# KiCad board SmallDSPMulti.kicad_pcb
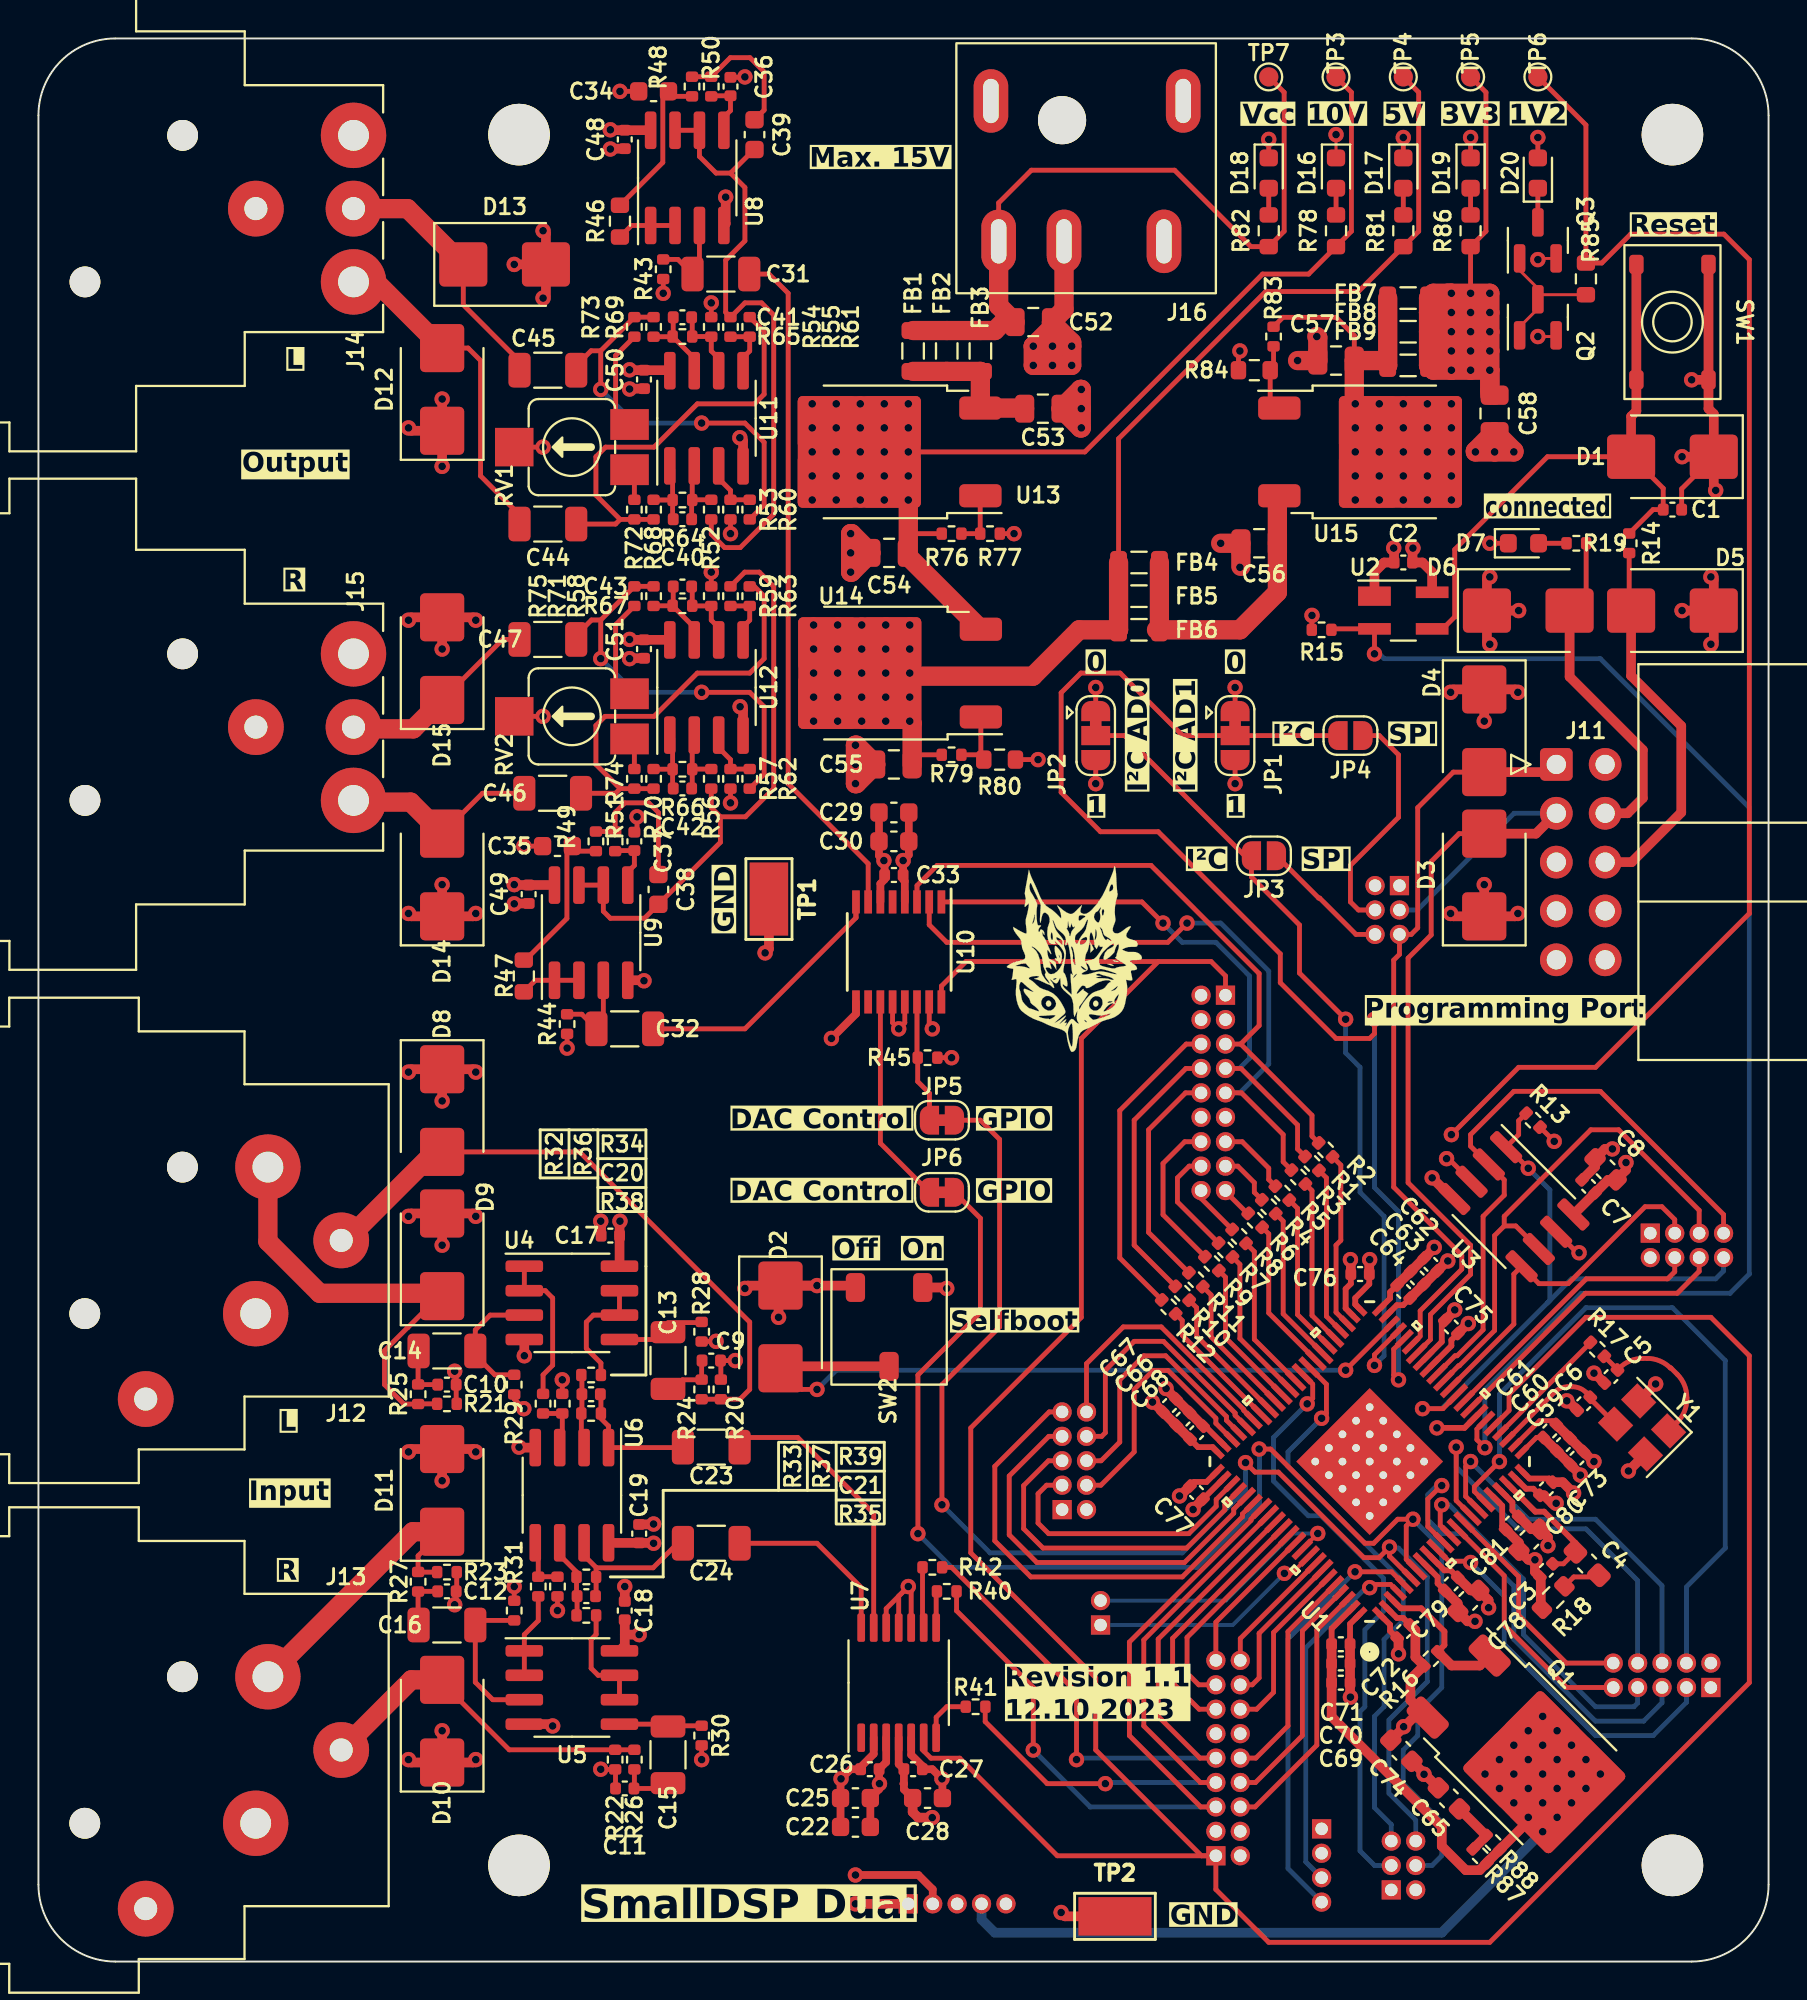
[diagram p0: board, top side]
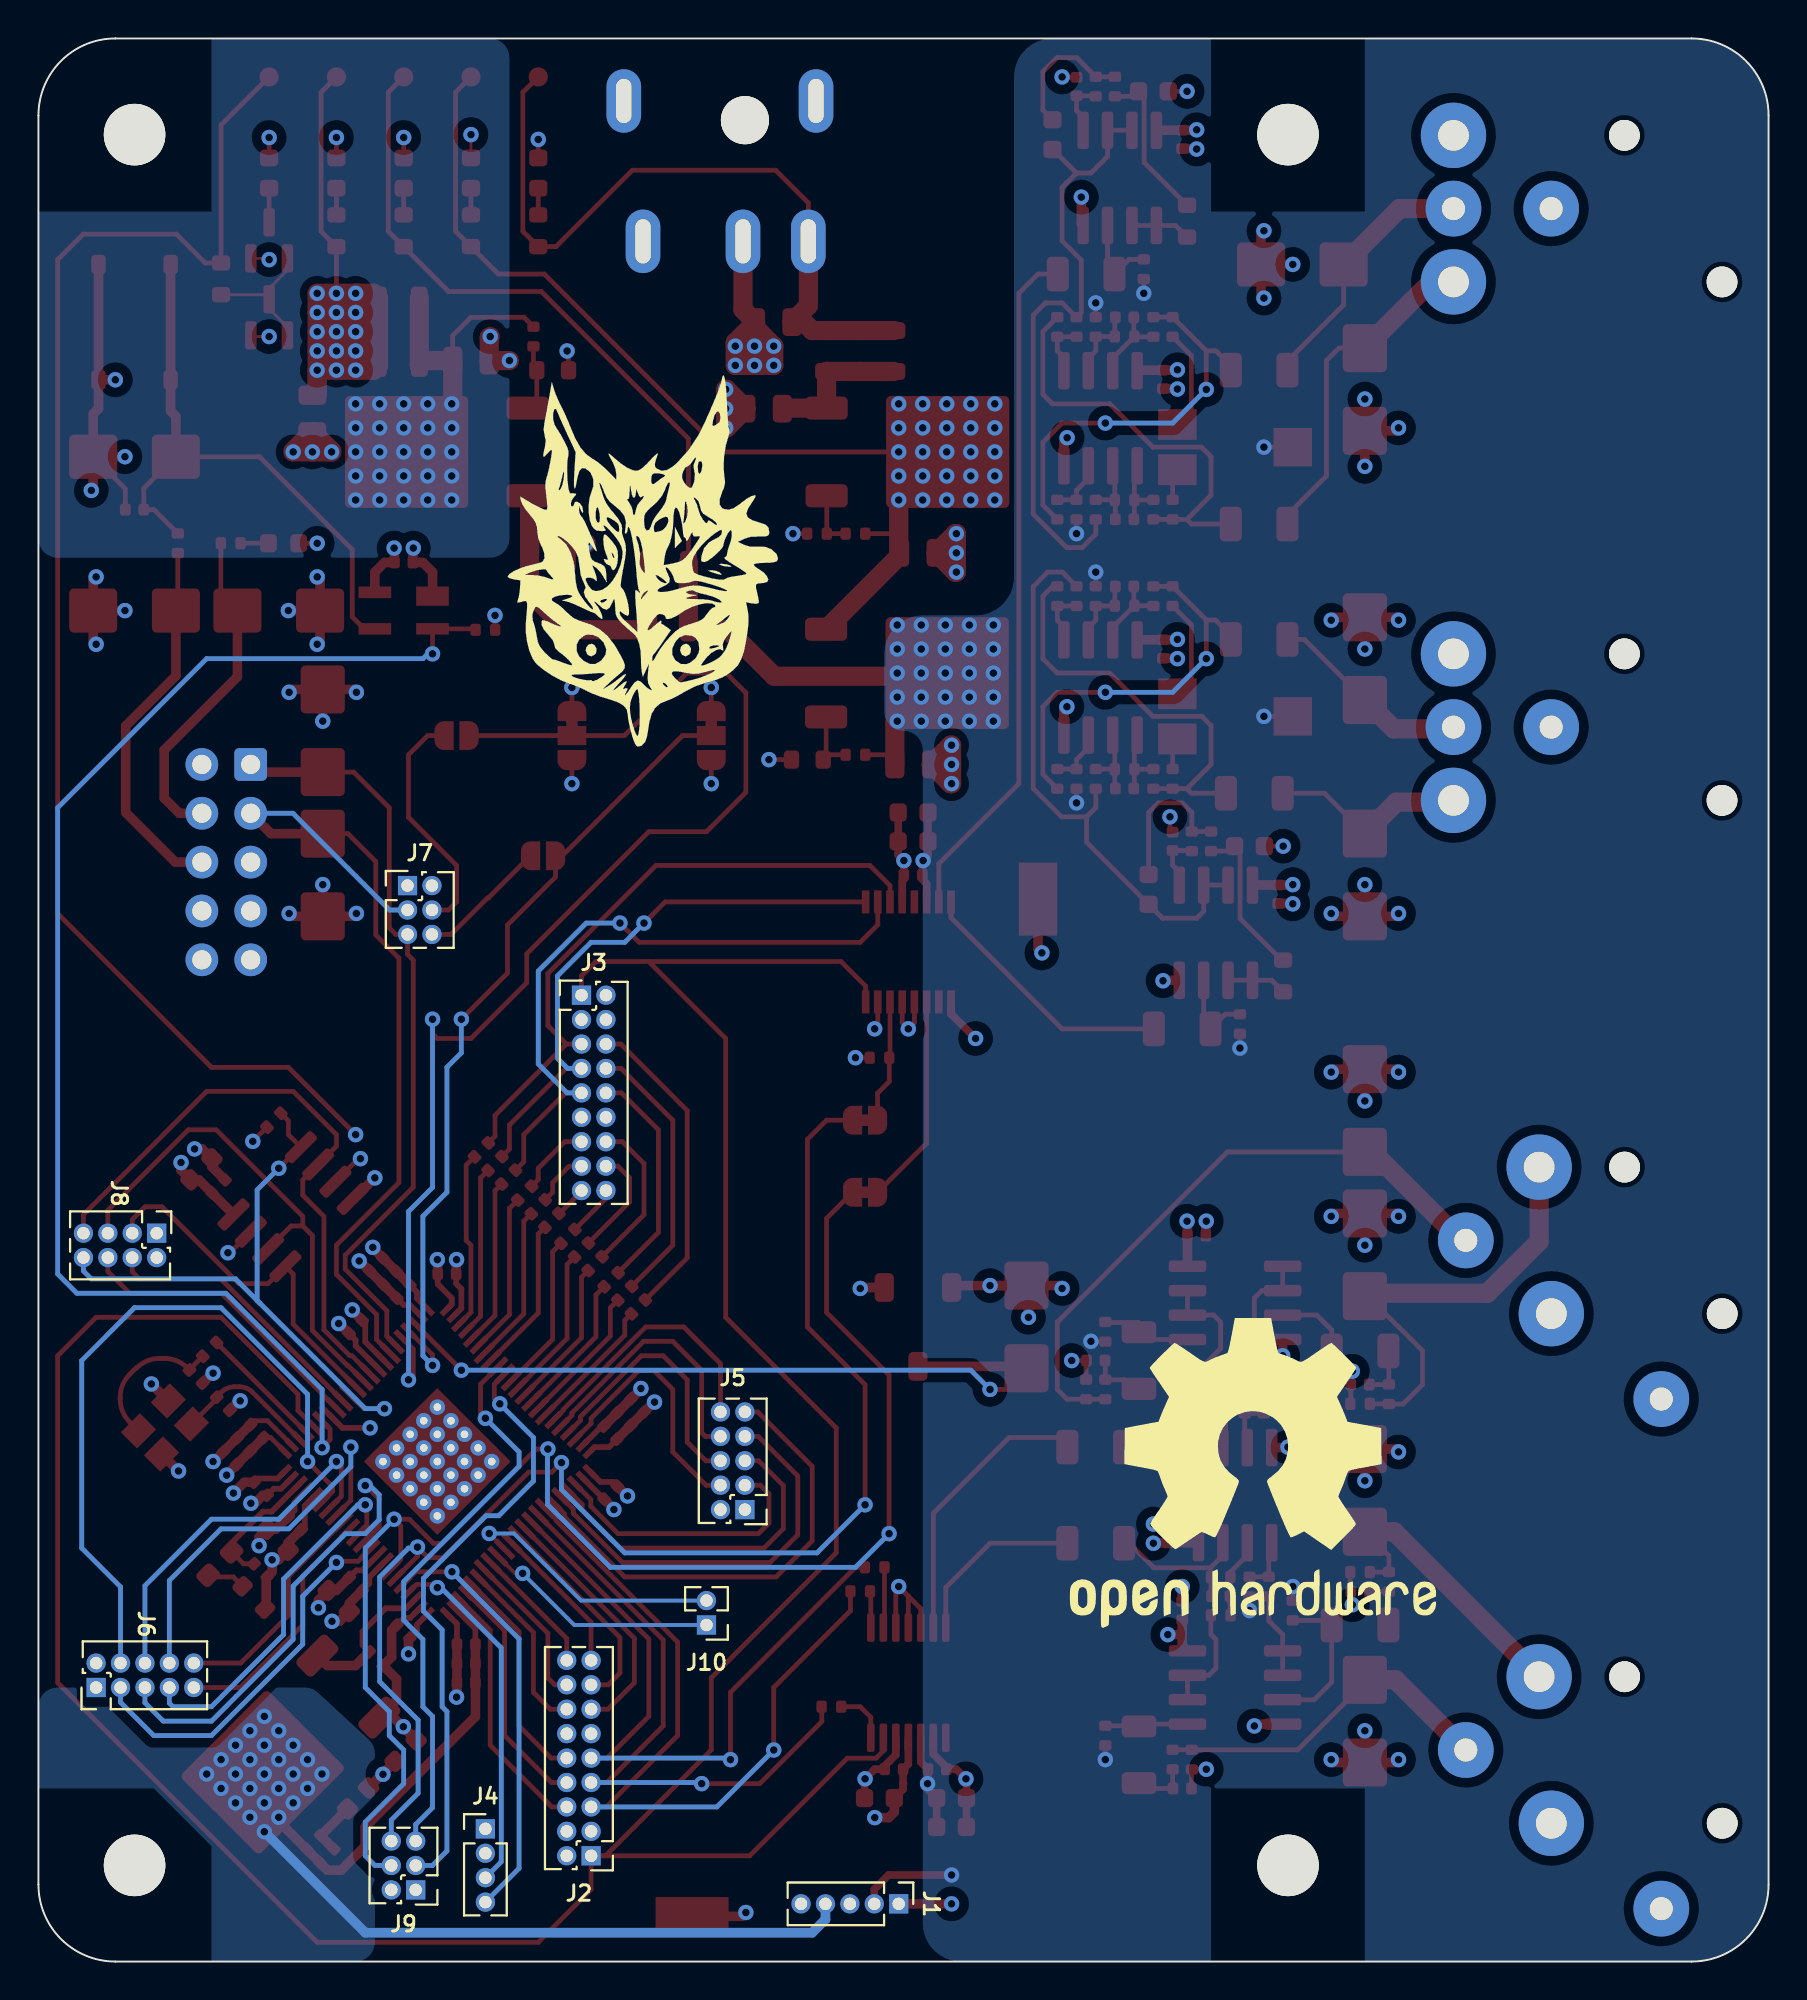
[diagram p1: board, bottom side, seen from below]

Outline 90 x 100 mm; copper layers: Top, In1.Cu, In2.Cu, Bottom. Coordinates in mm from the lower left corner of the outline.
Outline path: 0,96 arc(1.17,98.83) 4,100 86,100 arc(88.83,98.83) 90,96 90,4 arc(88.83,1.17) 86,0 4,0 arc(1.17,1.17) 0,4 0,96
Stack: Top 0.035mm / dielectric 0.1mm FR4 er 4.5 / In1.Cu 0.035mm / dielectric 1.24mm FR4 er 4.5 / In2.Cu 0.035mm / dielectric 0.1mm FR4 er 4.5 / Bottom 0.035mm

## Placement (name value [footprint] x y rotation side)
C1  100n  [C_0402_1005Metric]  85 75.5 0 top
C2  100n  [C_0402_1005Metric]  71 72.75 180 top
C3  150p  [C_0402_1005Metric]  78.44 20.34 45 top
C4  5n6  [C_0603_1608Metric_Pad1.08x0.95mm_HandSolder]  80.56 20.7 315 top
C5  27p  [C_0402_1005Metric]  81.8 30.42 225 top
C6  27p  [C_0402_1005Metric]  80.39 29.01 225 top
C7  100n  [C_0402_1005Metric]  80.64 40.31 135 top
C8  10u  [C_0603_1608Metric]  81.52 41.19 135 top
C9  100p  [C_0402_1005Metric]  35 31.25 0 top
C10  100p  [C_0402_1005Metric]  21.25 30 0 top
C11  100p  [C_0402_1005Metric]  30.5 9 180 top
C12  100p  [C_0402_1005Metric]  21.25 19.25 0 top
C13  1u  [C_1206_3216Metric]  32.75 31.25 90 top
C14  1u  [C_1206_3216Metric]  21.25 31.75 0 top
C15  1u  [C_1206_3216Metric]  32.75 10.75 90 top
C16  1u  [C_1206_3216Metric]  21.25 17.5 0 top
C17  100n  [C_0402_1005Metric]  29.75 37.75 180 top
C18  100n  [C_0402_1005Metric]  30.5 18.25 90 top
C19  100n  [C_0402_1005Metric]  31.25 22.25 90 top
C20  22p  [C_0402_1005Metric]  28.75 29.5 180 top
C21  22p  [C_0402_1005Metric]  28.5 19 180 top
C22  10u  [C_0603_1608Metric]  42.5 7 180 top
C23  1u  [C_1206_3216Metric]  35 26.75 0 top
C24  1u  [C_1206_3216Metric]  35 21.75 0 top
C25  10u  [C_0603_1608Metric]  42.5 8.5 180 top
C26  100n  [C_0402_1005Metric]  43.25 10 180 top
C27  100n  [C_0402_1005Metric]  45.5 10 0 top
C28  10u  [C_0603_1608Metric]  46.25 8.5 0 top
C29  10u  [C_0603_1608Metric]  44.5 59.75 0 top
C30  10u  [C_0603_1608Metric]  44.5 58.25 0 top
C31  1u  [C_1206_3216Metric]  35.5 87.75 180 top
C32  1u  [C_1206_3216Metric]  30.5 48.5 180 top
C33  100n  [C_0402_1005Metric]  44.5 56.5 0 top
C34  1n  [C_0603_1608Metric]  32 97.25 0 top
C35  1n  [C_0603_1608Metric]  27 58 0 top
C36  100p  [C_0402_1005Metric]  36 97.5 270 top
C37  100p  [C_0402_1005Metric]  31 58.25 270 top
C38  1n  [C_0603_1608Metric]  32.25 55.75 270 top
C39  1n  [C_0603_1608Metric]  37.25 95 270 top
C40  22p  [C_0402_1005Metric]  33.5 75 0 top
C41  22p  [C_0402_1005Metric]  33.5 85.5 0 top
C42  22p  [C_0402_1005Metric]  33.5 61 0 top
C43  22p  [C_0402_1005Metric]  33.5 71.5 0 top
C44  10u  [C_1206_3216Metric]  26.5 74.75 180 top
C45  10u  [C_1206_3216Metric]  26.5 82.75 180 top
C46  10u  [C_1206_3216Metric]  26.75 60.75 180 top
C47  10u  [C_1206_3216Metric]  26.5 68.75 180 top
C48  100n  [C_0402_1005Metric]  30.5 94.75 270 top
C49  100n  [C_0402_1005Metric]  25.5 55.5 270 top
C50  100n  [C_0402_1005Metric]  31.5 82.27 270 top
C51  100n  [C_0402_1005Metric]  31.5 68.25 270 top
C52  1u  [C_0805_2012Metric]  51.75 85.25 0 top
C53  1u  [C_0805_2012Metric]  52.25 80.75 0 top
C54  1u  [C_0805_2012Metric]  44.25 73.25 180 top
C55  1u  [C_0805_2012Metric]  44.5 62.25 180 top
C56  1u  [C_0805_2012Metric]  63.5 73.75 180 top
C57  1u  [C_0805_2012Metric]  67.5 83.25 180 top
C58  1u  [C_0805_2012Metric]  75.75 80.5 270 top
C59  1u  [C_0402_1005Metric]  80.03 26.18 225 top
C60  100n  [C_0402_1005Metric]  79.33 26.88 225 top
C61  10n  [C_0402_1005Metric]  78.62 27.59 225 top
C62  1u  [C_0402_1005Metric]  72.43 36.25 135 top
C63  100n  [C_0402_1005Metric]  71.72 35.55 135 top
C64  10n  [C_0402_1005Metric]  71.02 34.84 135 top
C65  10u  [C_0603_1608Metric]  73.37 8.48 135 top
C66  1u  [C_0402_1005Metric]  58.84 28.91 225 top
C67  100n  [C_0402_1005Metric]  59.54 28.21 225 top
C68  10n  [C_0402_1005Metric]  60.25 27.5 225 top
C69  1u  [C_0402_1005Metric]  67.75 14.5 0 top
C70  100n  [C_0402_1005Metric]  67.75 15.5 0 top
C71  10n  [C_0402_1005Metric]  67.75 16.5 0 top
C72  100n  [C_0402_1005Metric]  71.02 17.16 225 top
C73  100n  [C_0402_1005Metric]  78.44 24.59 225 top
C74  10u  [C_0603_1608Metric]  70.9 10.96 315 top
C75  100n  [C_0402_1005Metric]  73.5 33 315 top
C76  100n  [C_0402_1005Metric]  68.75 35.75 0 top
C77  100n  [C_0402_1005Metric]  60.24 24.39 135 top
C78  10u  [C_0603_1608Metric]  74.38 18.75 225 top
C79  100n  [C_0402_1005Metric]  73.49 19.64 225 top
C80  10u  [C_0603_1608Metric]  77.56 21.93 225 top
C81  100n  [C_0402_1005Metric]  76.66 22.8 225 top
D1  P6SMB6.8CA  [D_SMB]  85 78.25 180 top
D2  P6SMB6.8CA  [D_SMB]  38.6 33 270 top
D3  P6SMB6.8CA  [D_SMB]  75.21 56.5 90 top
D4  P6SMB6.8CA  [D_SMB]  75.21 64 270 top
D5  P6SMB6.8CA  [D_SMB]  85 70.25 180 top
D6  P6SMB6.8CA  [D_SMB]  77.5 70.25 0 top
D7  LED  [LED_0603_1608Metric]  77.25 73.75 0 top
D8  P6SMB6.8CA  [D_SMB]  21 44.25 270 top
D9  P6SMB6.8CA  [D_SMB]  21 36.75 90 top
D10  P6SMB6.8CA  [D_SMB]  21 12.5 90 top
D11  P6SMB6.8CA  [D_SMB]  21 24.5 90 top
D12  P6SMB6.8CA  [D_SMB]  21 81.75 90 top
D13  P6SMB6.8CA  [D_SMB]  24.25 88.25 0 top
D14  P6SMB6.8CA  [D_SMB]  21 56.5 90 top
D15  P6SMB6.8CA  [D_SMB]  21 67.75 90 top
D16  LED  [LED_0603_1608Metric]  67.5 93 270 top
D17  LED  [LED_0603_1608Metric]  71 93 270 top
D18  LED  [LED_0603_1608Metric]  64 93 270 top
D19  LED  [LED_0603_1608Metric]  74.5 93 270 top
D20  LED  [LED_0603_1608Metric]  78 93 90 top
FB1  600R@100MHz  [L_0805_2012Metric]  45.5 83.75 270 top
FB2  600R@100MHz  [L_0805_2012Metric]  47.25 83.75 270 top
FB3  600R@100MHz  [L_0805_2012Metric]  49 83.75 270 top
FB4  600R@100MHz  [L_0805_2012Metric]  57.25 72.75 0 top
FB5  600R@100MHz  [L_0805_2012Metric]  57.25 71 0 top
FB6  600R@100MHz  [L_0805_2012Metric]  57.25 69.25 0 top
FB7  600R@100MHz  [L_0805_2012Metric]  71.25 86.5 0 top
FB8  600R@100MHz  [L_0805_2012Metric]  71.25 84.75 0 top
FB9  600R@100MHz  [L_0805_2012Metric]  71.25 83 0 top
G***  LOGO  [Strix_paint_600dpi]  53.92 52.1 0 top
G***#2  LOGO  [OpenHardware_600dpi]  26.82 25.44 180 bottom
G***#3  LOGO  [Strix_paint_300dpi]  58.5 72.78 180 bottom
H1  MountingHole  [MountingHole_3.2mm_M3_ISO7380]  25 95 0 top
H2  MountingHole  [MountingHole_3.2mm_M3_ISO7380]  85 95 0 top
H3  MountingHole  [MountingHole_3.2mm_M3_ISO7380]  85 5 0 top
H4  MountingHole  [MountingHole_3.2mm_M3_ISO7380]  25 5 0 top
J1  Header  [PinHeader_1x05_P1.27mm_Vertical]  45.25 3 270 bottom
J2  Header  [PinHeader_2x09_P1.27mm_Vertical]  61.25 5.5 0 bottom
J3  Header  [PinHeader_2x09_P1.27mm_Vertical]  61.75 50.25 180 bottom
J4  Header  [PinHeader_1x04_P1.27mm_Vertical]  66.75 6.9 180 bottom
J5  Header  [PinHeader_2x05_P1.27mm_Vertical]  53.25 23.5 0 bottom
J6  Header  [PinHeader_2x05_P1.27mm_Vertical]  87 14.25 90 bottom
J7  Header  [PinHeader_2x03_P1.27mm_Vertical]  70.8 55.95 180 bottom
J8  Header  [PinHeader_2x04_P1.27mm_Vertical]  83.85 37.88 270 bottom
J9  Header  [PinHeader_2x03_P1.27mm_Vertical]  70.38 3.72 0 bottom
J10  Header  [PinHeader_1x02_P1.27mm_Vertical]  55.25 17.5 0 bottom
J11  Programming  [IDC-Header_2x05_P2.54mm_Horizontal]  78.96 62.25 0 top
J12  NC3FAAH2  [Jack_XLR_Neutrik_NC3FAAH2_Horizontal]  11.3 33.69 180 top
J13  NC3FAAH2  [Jack_XLR_Neutrik_NC3FAAH2_Horizontal]  11.3 7.19 180 top
J14  NC3MAAH  [Jack_XLR_Neutrik_NC3MAAH_Horizontal]  16.39 94.96 270 top
J15  NC3MAAH  [Jack_XLR_Neutrik_NC3MAAH_Horizontal]  16.39 68 270 top
J16  Barrel_Jack_Switch  [BarrelJack_CUI_PJ-079BH_Horizontal]  54.5 93.25 180 top
JP1  Jumper  [SolderJumper-3_P1.3mm_Bridged12_RoundedPad1.0x1.5mm]  62.25 63.75 270 top
JP2  Jumper  [SolderJumper-3_P1.3mm_Bridged12_RoundedPad1.0x1.5mm]  55 63.75 270 top
JP3  Jumper  [SolderJumper-2_P1.3mm_Open_RoundedPad1.0x1.5mm]  63.75 57.5 180 top
JP4  Jumper  [SolderJumper-2_P1.3mm_Open_RoundedPad1.0x1.5mm]  68.25 63.75 180 top
JP5  Jumper  [SolderJumper-2_P1.3mm_Bridged_RoundedPad1.0x1.5mm]  47 43.75 0 top
JP6  Jumper  [SolderJumper-2_P1.3mm_Bridged_RoundedPad1.0x1.5mm]  47 40 0 top
Q1  NSS1C300ET4G  [TO-252-2]  77.45 10.73 315 top
Q2  MMBT3904  [SOT-23]  78 85.5 90 top
Q3  MMBT3904  [SOT-23]  78 89.5 90 top
R1  100R  [R_0402_1005Metric]  66.25 41.5 135 top
R2  100R  [R_0402_1005Metric]  66.96 42.21 135 top
R3  100R  [R_0402_1005Metric]  65.54 40.79 135 top
R4  100R  [R_0402_1005Metric]  64 39.25 135 top
R5  100R  [R_0402_1005Metric]  64.71 39.96 135 top
R6  100R  [R_0402_1005Metric]  63.29 38.54 135 top
R7  100R  [R_0402_1005Metric]  61.75 37 135 top
R8  100R  [R_0402_1005Metric]  62.46 37.71 135 top
R9  100R  [R_0402_1005Metric]  61.04 36.29 135 top
R10  100R  [R_0402_1005Metric]  59.5 34.75 135 top
R11  100R  [R_0402_1005Metric]  60.21 35.46 135 top
R12  100R  [R_0402_1005Metric]  58.79 34.04 135 top
R13  100k  [R_0402_1005Metric]  77.75 43.75 315 top
R14  1k  [R_0402_1005Metric]  82.75 73.75 270 top
R15  10k  [R_0402_1005Metric]  66.75 69.25 180 top
R16  1k  [R_0402_1005Metric]  72.43 15.75 45 top
R17  100R  [R_0402_1005Metric]  81.09 31.83 315 top
R18  4k3  [R_0603_1608Metric]  78.8 18.93 225 top
R19  1k  [R_0402_1005Metric]  80 73.75 180 top
R20  100k  [R_0402_1005Metric]  35.5 29.75 90 top
R21  100k  [R_0402_1005Metric]  21.25 29 0 top
R22  100k  [R_0402_1005Metric]  30 10.5 270 top
R23  100k  [R_0402_1005Metric]  21.25 20.25 0 top
R24  100R  [R_0402_1005Metric]  34.5 29.75 270 top
R25  100R  [R_0402_1005Metric]  19.75 29.5 90 top
R26  100R  [R_0402_1005Metric]  31 10.5 270 top
R27  100R  [R_0402_1005Metric]  19.75 19.75 270 top
R28  100k  [R_0402_1005Metric]  34.5 32.75 90 top
R29  100k  [R_0402_1005Metric]  24.75 30 90 top
R30  100k  [R_0402_1005Metric]  34.5 11.75 90 top
R31  100k  [R_0402_1005Metric]  24.75 18.25 270 top
R32  20k  [R_0402_1005Metric]  26.25 29.01 90 top
R33  20k  [R_0402_1005Metric]  26 19.5 270 top
R34  20k  [R_0402_1005Metric]  28.75 30.5 0 top
R35  20k  [R_0402_1005Metric]  28.5 18 0 top
R36  10k  [R_0402_1005Metric]  27.25 29.01 90 top
R37  10k  [R_0402_1005Metric]  27 19.5 270 top
R38  10k  [R_0402_1005Metric]  28.75 28.5 180 top
R39  10k  [R_0402_1005Metric]  28.5 20 180 top
R40  100R  [R_0402_1005Metric]  47.25 19.25 0 top
R41  100R  [R_0402_1005Metric]  48.75 13.25 0 top
R42  100R  [R_0402_1005Metric]  46.5 20.5 0 top
R43  100k  [R_0402_1005Metric]  32.5 88 90 top
R44  100k  [R_0402_1005Metric]  27.5 48.75 90 top
R45  10k  [R_0402_1005Metric]  46.25 47 0 top
R46  3k6  [R_0603_1608Metric]  30.25 90.5 270 top
R47  3k6  [R_0603_1608Metric]  25.25 51.25 270 top
R48  18k  [R_0402_1005Metric]  34 97.5 270 top
R49  18k  [R_0402_1005Metric]  29 58.25 270 top
R50  5k1  [R_0402_1005Metric]  35 97.5 90 top
R51  5k1  [R_0402_1005Metric]  30 58.25 90 top
R52  10k  [R_0402_1005Metric]  35 75.5 270 top
R53  10k  [R_0402_1005Metric]  36 75.5 270 top
R54  10k  [R_0402_1005Metric]  35 85 90 top
R55  10k  [R_0402_1005Metric]  36 85 90 top
R56  10k  [R_0402_1005Metric]  35 61.5 270 top
R57  10k  [R_0402_1005Metric]  36 61.5 270 top
R58  10k  [R_0402_1005Metric]  35 71 90 top
R59  10k  [R_0402_1005Metric]  36 71 90 top
R60  20k  [R_0402_1005Metric]  37 75.5 270 top
R61  20k  [R_0402_1005Metric]  37 85 90 top
R62  20k  [R_0402_1005Metric]  37 61.5 270 top
R63  20k  [R_0402_1005Metric]  37 71 90 top
R64  20k  [R_0402_1005Metric]  33.5 76 0 top
R65  20k  [R_0402_1005Metric]  33.5 84.5 0 top
R66  20k  [R_0402_1005Metric]  33.5 62 0 top
R67  20k  [R_0402_1005Metric]  33.5 70.5 0 top
R68  47R  [R_0402_1005Metric]  32 75.5 90 top
R69  47R  [R_0402_1005Metric]  32 85 270 top
R70  47R  [R_0402_1005Metric]  32 61.5 90 top
R71  47R  [R_0402_1005Metric]  32 71 270 top
R72  1k  [R_0402_1005Metric]  31 75.5 90 top
R73  1k  [R_0402_1005Metric]  31 85 90 top
R74  1k  [R_0402_1005Metric]  31 61.5 90 top
R75  1k  [R_0402_1005Metric]  31 71 90 top
R76  1k2  [R_0402_1005Metric]  47.5 74.25 0 top
R77  8k2  [R_0402_1005Metric]  49.5 74.25 0 top
R78  1k5  [R_0603_1608Metric]  67.5 90 90 top
R79  1k2  [R_0402_1005Metric]  47.5 62.75 0 top
R80  3k6  [R_0603_1608Metric]  50 62.5 0 top
R81  430R  [R_0603_1608Metric]  71 90 90 top
R82  2k  [R_0603_1608Metric]  64 90 90 top
R83  1k2  [R_0402_1005Metric]  64.25 84.5 270 top
R84  2k  [R_0603_1608Metric]  63.25 82.75 180 top
R85  240R  [R_0603_1608Metric]  80.5 87.5 270 top
R86  82R  [R_0603_1608Metric]  74.5 90 90 top
R87  1R  [R_0402_1005Metric]  75 5.5 135 top
R88  1R  [R_0402_1005Metric]  75.67 6.19 135 top
RV1  1k  [Potentiometer_Nidec_ST4ETB_Vertical]  27.75 78.75 90 top
RV2  1k  [Potentiometer_Nidec_ST4ETB_Vertical]  27.75 64.75 90 top
SW1  -  [TS-1187A-B-A-B]  85 85.25 270 top
SW2  -  [CJS-1201TB]  44.25 33 270 top
TP1  TestPoint  [TestPoint_Keystone_5019_Minature]  38 55.25 270 top
TP2  TestPoint  [TestPoint_Keystone_5019_Minature]  56 2.35 0 top
TP3  TestPoint_Small  [TestPoint_Pad_D1.0mm]  67.5 98 90 top
TP4  TestPoint_Small  [TestPoint_Pad_D1.0mm]  71 98 90 top
TP5  TestPoint_Small  [TestPoint_Pad_D1.0mm]  74.5 98 90 top
TP6  TestPoint_Small  [TestPoint_Pad_D1.0mm]  78 98 90 top
TP7  TestPoint_Small  [TestPoint_Pad_D1.0mm]  64 98 0 top
U1  -  [ADAU1463]  69.25 26 135 top
U2  ADM811  [SOT-143_Handsoldering]  71 70.25 0 top
U3  M95M01-R  [SOIC-8_3.9x4.9mm_P1.27mm]  76.75 39.25 315 top
U4  NE5532  [SOIC-8_3.9x4.9mm_P1.27mm]  27.75 34.25 0 top
U5  NE5532  [SOIC-8_3.9x4.9mm_P1.27mm]  27.75 14.25 0 top
U6  NE5532  [SOIC-8_3.9x4.9mm_P1.27mm]  27.75 24.25 270 top
U7  PCM1808  [TSSOP-14_4.4x5mm_P0.65mm]  44.75 14.5 90 top
U8  NE5532  [SOIC-8_3.9x4.9mm_P1.27mm]  33.75 92.75 90 top
U9  NE5532  [SOIC-8_3.9x4.9mm_P1.27mm]  28.75 53.5 90 top
U10  PCM1754  [SSOP-16_3.9x4.9mm_P0.635mm]  44.75 52.5 270 top
U11  NE5532  [SOIC-8_3.9x4.9mm_P1.27mm]  34.75 80.25 90 top
U12  NE5532  [SOIC-8_3.9x4.9mm_P1.27mm]  34.75 66.25 90 top
U13  LM317_TO-252  [TO-252-2]  43.96 78.5 180 top
U14  LM317_TO-252  [TO-252-2]  43.99 67 180 top
U15  LM317_TO-252  [TO-252-2]  69.59 78.5 0 top
Y1  830105957509  [Crystal_SMD_3225-4Pin_3.2x2.5mm]  83.42 27.77 135 top

## Library data of the parts
C1 C2 C7 C17-C19 C26 C27 C33 C48-C51 C60 C63 C67 C70 C72 C73 C75-C77 C79 C81 = -: Description: Unpolarized capacitor, small symbol; Assembling: X; Dielectric: X7R; JLC Part Number: C307331; Manufacturer: Samsung Electro-Mechanics; Notes: -25%@10VDC; Part Number: CL05B104KB54PNC; Rated Voltage: 50V; Tolerance: 10%
C3 = -: Description: Unpolarized capacitor, small symbol; Assembling: X; Dielectric: X7R; JLC Part Number: C1527; Manufacturer: FH (Guangdong Fenghua Advanced Tech); Part Number: 0402B151K500NT; Rated Voltage: 50V; Tolerance: 10%
C4 = -: Description: Unpolarized capacitor, small symbol; Dielectric: C0G; Manufacturer: Murata Electronics; Notes: Also available in 0402; Part Number: GRM1885C1H562JA01D; Rated Voltage: 50V; Tolerance: 5%
C5 C6 = -: Description: Unpolarized capacitor, small symbol; Assembling: X; Dielectric: C0G; JLC Part Number: C1557; Manufacturer: FH (Guangdong Fenghua Advanced Tech); Part Number: 0402CG270J500NT; Rated Voltage: 50V; Tolerance: 5%
C8 C22 C25 C28-C30 C65 C74 C78 C80 = -: Description: Unpolarized capacitor, small symbol; Assembling: X; Dielectric: X5R; JLC Part Number: C96446; Manufacturer: Samsung Electro-Mechanics; Notes: -50%@5VDC; Part Number: CL10A106MA8NRNC; Rated Voltage: 25V; Tolerance: 10%
C9-C12 C36 C37 = -: Description: Unpolarized capacitor, small symbol; Assembling: X; Dielectric: C0G; JLC Part Number: C1546; Manufacturer: FH (Guangdong Fenghua Advanced Tech); Part Number: 0402CG101J500NT; Rated Voltage: 50V; Tolerance: 5%
C13-C16 C23 C24 C31 C32 = -: Description: Unpolarized capacitor, small symbol; Assembling: X; Dielectric: X7R; JLC Part Number: C1848; Manufacturer: Samsung Electro-Mechanics; Part Number: CL31B105KBHNNNE; Rated Voltage: 50V; Tolerance: 10%
C20 C21 C40-C43 = -: Description: Unpolarized capacitor, small symbol; Assembling: X; Dielectric: C0G; JLC Part Number: C1555; Manufacturer: FH (Guangdong Fenghua Advanced Tech); Part Number: 0402CG220J500NT; Rated Voltage: 50V; Tolerance: 5%
C34 C35 C38 C39 = -: Description: Unpolarized capacitor, small symbol; Assembling: X; Dielectric: X7R; JLC Part Number: C1588; Manufacturer: Samsung Electro-Mechanics; Notes: C0G better but not a JLC basic Part; Part Number: CL10B102KB8NNNC; Rated Voltage: 50V; Tolerance: 10%
C44-C47 = -: Description: Unpolarized capacitor, small symbol; Assembling: X; Dielectric: X5R; JLC Part Number: C13585; Manufacturer: Samsung Electro-Mechanics; Part Number: CL31A106KBHNNNE; Rated Voltage: 50V; Tolerance: 10%
C52-C58 = -: Description: Unpolarized capacitor, small symbol; Assembling: X; Dielectric: X7R; JLC Part Number: C28323; Manufacturer: Samsung Electro-Mechanics; Part Number: CL21B105KBFNNNE; Rated Voltage: 50V; Tolerance: 10%
C59 C62 C66 C69 = -: Description: Unpolarized capacitor, small symbol; Assembling: X; Dielectric: X5R; JLC Part Number: C52923; Manufacturer: Samsung Electro-Mechanics; Part Number: CL05A105KA5NQNC; Rated Voltage: 25V; Tolerance: 10%
C61 C64 C68 C71 = -: Description: Unpolarized capacitor, small symbol; Assembling: X; Dielectric: X7R; JLC Part Number: C15195; Manufacturer: Samsung Electro-Mechanics; Part Number: CL05B103KB5NNNC; Rated Voltage: 50V; Tolerance: 10%
D1-D6 D8-D15 = -: Description: Bidirectional transient-voltage-suppression diode; Assembling: X; JLC Part Number: C78395; Manufacturer: Brightking; Part Number: P6SMB6.8CA/TR13
D7 D16-D20 = -: Description: Light emitting diode; Assembling: X; JLC Part Number: C72041; Manufacturer: Everlight Elec; Part Number: 19-217/BHC-ZL1M2RY/3T
FB1-FB9 = -: Description: Ferrite bead, small symbol; Assembling: X; JLC Part Number: C1017; Manufacturer: Sunlord; Part Number: GZ2012D601TF; Rated Current: 500mA
H1-H4 = -: Description: Mounting Hole without connection; Manufacturer: -; Part Number: -
J1 = -: Description: Generic connector, single row, 01x05, script generated (kicad-library-utils/schlib/autogen/connector/); Manufacturer: -; Part Number: -
J2 J3 = -: Description: Generic connector, double row, 02x09, odd/even pin numbering scheme (row 1 odd numbers, row 2 even numbers), script generated (kicad-library-utils/schlib/autogen/connector/); Manufacturer: -; Part Number: -
J4 = -: Description: Generic connector, single row, 01x04, script generated (kicad-library-utils/schlib/autogen/connector/); Manufacturer: -; Part Number: -